# Altium PCB CT310高端控制盒核心板电路V1.3.PcbDoc (part 4 of 10) (continued)
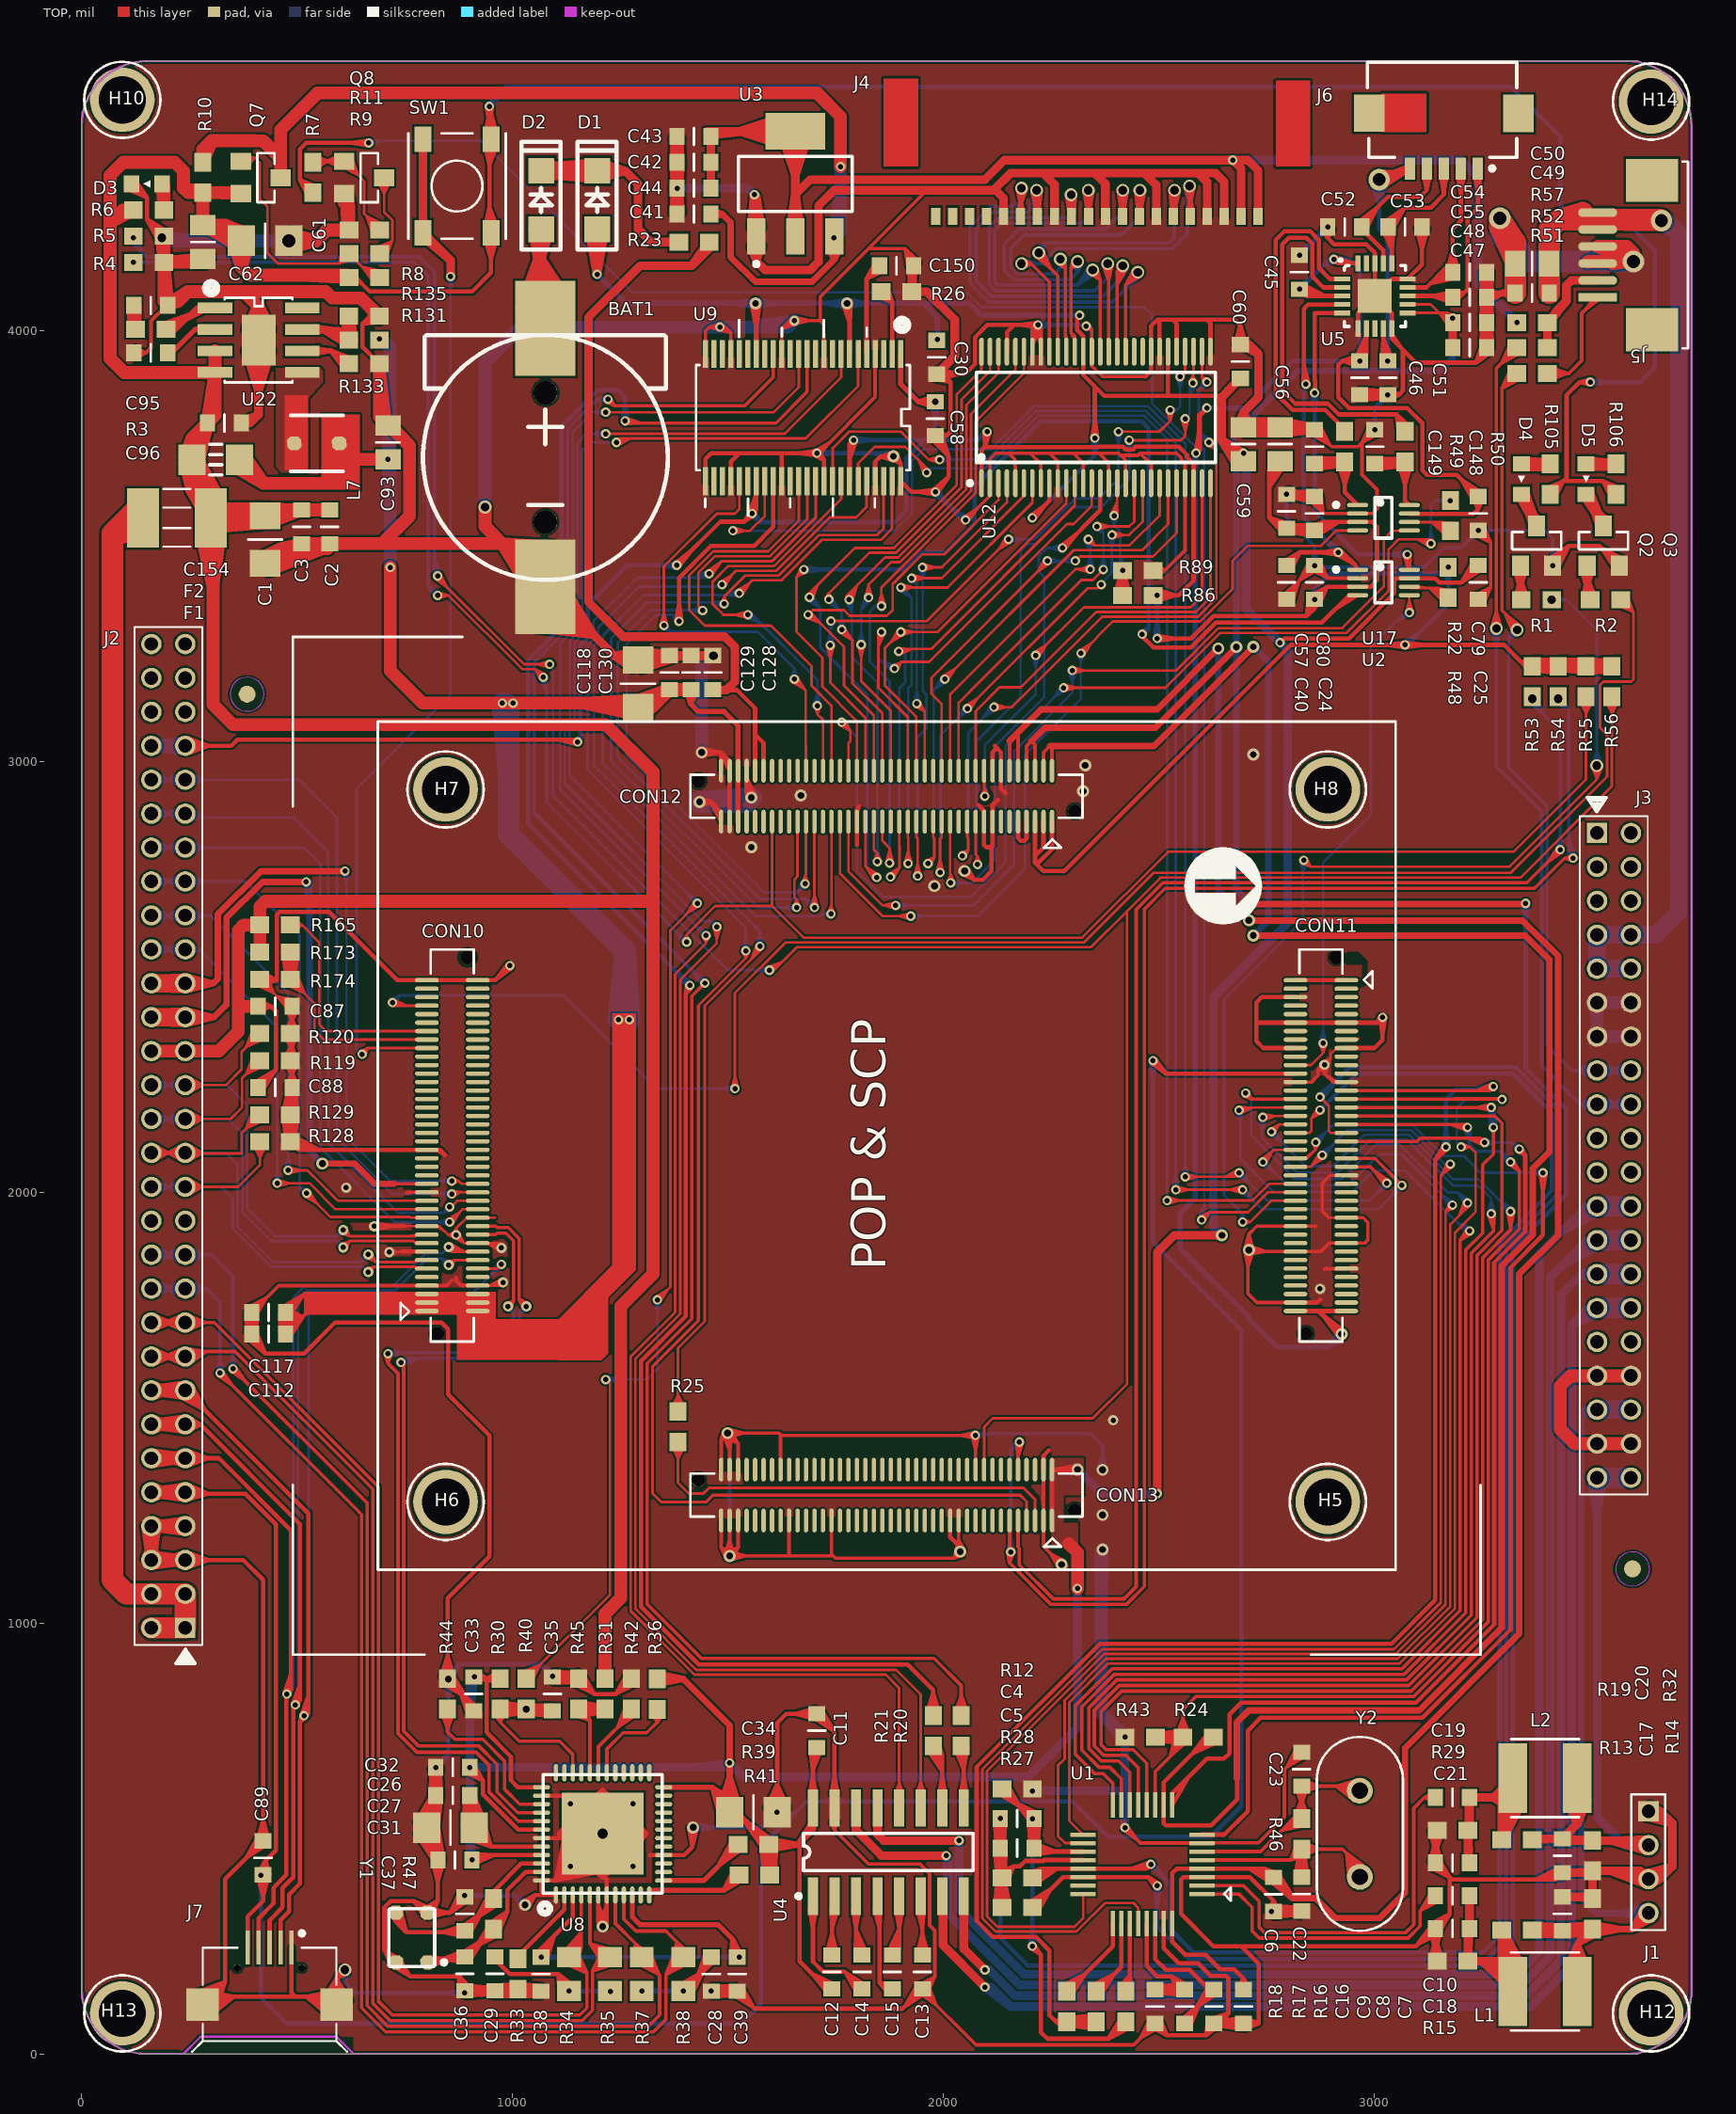
[diagram p0: TOP view]
## Nets (pads, with @x,y where several pads share a name; then routed paths per layer and width w, separated by ;. In a path a pad name is that pad's centre, name@x,y a point inside that pad or via, vN(x,y) a via of type N, cw(c..) or ccw(c..) an arc to the next point about the centre after c; other vN are vias at no path point) (continued)
C28.1@1467.13,157.56 ; C28.1@1466.55,147.21 C28.1@1467.13,133.7 ; C28.1@1466.67,144.59 C28.1@1461.58,132.97 ; C28.1@1466.67,146.67 C28.1@1461.58,158.29 ; CON12.80@1483.73,2977.98 1483.73,3015.45 ; CON12.80@1483.73,3000.48 1483.73,3015.45 ; CON12.77@1503.42,2859.86 CON12.78@1503.42,2977.98 ; CON12.77@1503.42,2882.36 1503.42,2917.36 ; 1503.42,2920.48 CON12.78@1503.42,2955.48 ; U9.28@1506.29,3650 1506.29,3695.53 ; U9.28@1506.29,3676.5 1506.29,3695.53 ; C39.2@1514.61,135.84 1559.69,106.7 ; C39.2@1517.1,133.03 C28.1@1471.07,145.63 ; C39.2@1517.1,158.23 C28.1@1471.07,145.63 ; C39.2@1518.79,145.63 C28.1@1471.07,145.63 ; C39.2@1522.73,145.63 1559.69,106.7 ; C39.2@1532.92,153.23 1559.69,106.7 ; CON12.74@1542.79,2977.98 1542.79,2926.39 ; v3@1544.72,2914.17 CON12.74@1542.79,2955.48 ; v3@1544.7,2914.36 CON12.74@1542.79,2961.9 ; v3@1561.99,2918.86 CON12.74@1542.79,2955.48 ; v3@1562.14,2918.44 CON12.74@1542.79,2961.9 ; C34.2@1587.86,570.22 1613.73,626 ; C34.2@1597.39,566.72 1613.73,626 ; C34.2@1607.25,564.85 1613.73,626 ; C34.2@1607.73,560.66 1611.39,603.97 ; C34.2@1607.78,561.31 1616.07,603.97 ; C34.2@1613.73,564.51 1613.73,626 ; C34.2@1619.73,560.66 1616.07,603.97 ; C34.2@1619.69,561.31 1611.39,603.97 ; C34.2@1620.22,564.85 1613.73,626 ; U9.34@1624.4,3650 1624.4,3711.35 ; U9.34@1624.4,3676.5 1624.4,3711.35 ; C34.2@1630.08,566.72 1613.73,626 ; C34.2@1639.61,570.22 1613.73,626 ; C11.2@1699.61,779.58 1744.69,750.44 ; v1@1702.08,3710.26 1722.82,3697.94 ; C11.2@1702.1,776.77 1656.07,789.37 ; C11.2@1702.1,801.97 1656.07,789.37 ; C11.2@1703.79,789.37 1656.07,789.37 ; v1@1705.32,3709.02 1664.76,3715 v1@1705.32,3720.98 ; C11.2@1707.73,789.37 1744.69,750.44 ; v1@1710.5,3718.68 1722.82,3697.94 ; C11.2@1717.92,796.97 1744.69,750.44 ; U9.39@1722.82,3650 1722.82,3697.94 ; U9.39@1722.82,3676.5 1722.82,3697.94 ; U4.15@1739.93,602.72 1746.72,643.98 ; U4.15@1746.72,570.67 1746.72,748.41 C11.2@1705.76,789.37 1635.13,789.37 1613.73,767.97 v1(1613.73,560.57) ; U4.15@1746.72,602.17 1746.72,643.98 ; U4.15@1753.51,602.72 1746.72,643.98 ; 1798.61,2805.57 1798.69,2805.65 ; CON12.47@1798.69,2837.36 1798.69,2805.65 ; U9.45@1840.93,3650 1840.93,3695.17 ; U9.45@1840.93,3676.5 1840.93,3695.17 ; v3@1878.61,3700.16 1900,3691.26 ; v3@1882.27,3698.74 1853.4,3707.64 ; v3@1882.27,3716.54 1853.4,3707.64 ; v3@1891.09,3712.65 1900,3691.26 ; U9.48@1900,3676.5 1900,3691.26 ; C13.2@1938.6,158.23 1911.83,111.7 ; C13.2@1948.79,150.63 1911.83,111.7 ; C13.2@1950.76,150.63 1905.13,105 1561.39,105 C39.2@1520.76,145.63 v1(1460.76,145.63) ; C13.2@1956.91,140.84 1911.83,111.7 ; C58.2@1972.72,3747.78 2010.34,3710.11 ; v1@1976.53,3629.26 2010.43,3658.67 ; v1@1978.76,3627 2011.76,3660 2011.76,3708.7 1980.76,3739.7 C58.2@1980.76,3755.63 2006.39,3755.63 ; v1@1980.32,3619.02 1939.76,3625 ; v1@1980.32,3630.98 1939.76,3625 ; C30.2@1981.06,3886.38 2015.76,3880 ; C30.2@1983.61,3898.27 C30.2@1997.49,3898.27 ; v1@1985.52,3621.34 2010.43,3658.67 ; C58.2@1986.15,3743.38 2006.39,3755.63 ; C58.2@1986.15,3767.88 2006.39,3755.63 ; C30.2@1987.28,3885.67 2033.3,3898.27 ; C30.2@1987.28,3910.88 2033.3,3898.27 ; C30.2@1994.02,3907.78 2015.76,3880 ; C58.2@1994.31,3760.88 2010.34,3710.11 ; CON13.25@2015.23,1215.31 2015.23,1199.31 ; CON13.25@2015.23,1237.81 2015.23,1199.31 ; 2028.61,1185.57 2028.61,1185.93 2015.23,1199.31 ; v3@2043.54,2738.14 2070.76,2725 ; v3@2055.65,2751.18 2070.76,2725 ; CON12.17@2093.97,2837.36 2093.97,2805.21 ; CON12.17@2093.97,2882.36 2080.91,2898.36 2093.97,2885.29 CON12.17@2093.97,2859.86 2093.97,2805.21 ; CON12.15@2113.65,2837.36 2113.65,2803.46 ; CON12.15@2113.65,2882.36 2113.65,2898.36 ; CON12.16@2113.65,2977.98 2113.65,3020.61 ; CON12.16@2113.65,3000.48 2113.65,3020.61 ; 2118.61,3025.57 2113.65,3020.61 ; 2118.61,3035.57 2133.34,3020.85 ; 2125.86,2910.57 2113.65,2898.36 ; CON12.14@2133.34,2955.48 2133.34,2935.85 ; CON12.14@2133.34,3000.48 2133.34,3020.85 ; 2143.61,2925.57 2133.34,2935.85 ; U12.53@2146.92,3950.52 2146.92,3995.95 ; U12.53@2146.92,3977.68 2146.92,3995.95 ; U12.50@2205.98,3950.52 2205.98,4007.43 ; v1@2212.77,4011.3 U12.49@2225.66,3968.58 ; v1@2212.74,4013.89 U12.50@2205.98,3967.5 ; v1@2212.83,4014.22 U12.50@2205.98,3977.68 ; v1@2212.85,4010.97 U12.49@2225.66,3977.68 ; v1@2215.27,4017.63 2205.76,4007.64 ; v1@2218.17,4006.66 2177.61,4012.64 v1@2218.17,4018.63 ; v1@2219.52,4006.71 2205.76,4007.64 ; v1@2224.07,4010.15 U12.50@2205.98,3977.68 ; v1@2224.28,4010.66 U12.50@2205.98,3967.5 ; v1@2224.57,4013.33 U12.49@2225.66,3977.68 ; v1@2224.59,4013.19 U12.49@2225.66,3968.58 ; U12.49@2225.66,3950.52 v1@2225.66,4005.6 ; CON13.4@2231.76,1355.93 2231.76,1388.72 ; CON13.4@2231.76,1378.43 2231.76,1388.72 ; 2243.61,1400.57 2231.76,1388.72 ; 2468.61,3892.64 2481.57,3905.6 ; U12.36@2481.57,3923.35 2481.57,3905.6 ; U12.36@2481.57,3977.68 2481.57,4010.19 ; C16.1@2485,60.53 2518.48,42.91 ; C16.1@2490.76,70.63 2518.48,42.91 ; C16.1@2492.73,70.63 2518.48,42.91 ; U12.35@2501.25,3950.52 2501.25,4019.51 2496.07,4024.69 ; U12.35@2501.25,3977.68 2501.25,4013 ; C16.1@2503.37,77.6 2518.48,42.91 ; U1.31@2510.78,277.6 2510.78,244.98 ; U1.31@2510.78,302.2 2510.78,244.98 ; U12.33@2540.62,3950.52 2540.62,4015.14 2531.07,4024.69 ; U12.33@2540.62,3977.68 2540.62,4013 ; U1.3@2574.76,410.47 2556.23,410.47 ; C8.1@2613.5,74.95 2608.67,42.91 ; U12.29@2619.36,3950.52 2619.36,4016.4 2611.07,4024.69 ; U12.29@2619.36,3977.68 2619.36,4013 ; C8.1@2623.3,81.79 2660.76,95 ; U1.3@2623.97,410.47 2658.89,410.47 ; C8.1@2625.46,70.63 2608.67,42.91 ; C8.1@2629.39,70.63 2660.76,95 ; C8.1@2634.83,62.04 2608.67,42.91 ; C8.1@2638.7,61.97 2660.76,95 ; C60.2@2676.02,3968.8 2688.61,4012.15 ; C60.2@2688.61,3967.01 2688.61,4012.15 ; C7.1@2695.76,70.63 2731.39,70.63 ; C7.1@2697.73,70.63 2731.39,70.63 ; C7.1@2700.13,58.14 2731.39,70.63 ; C7.1@2700.13,83.12 2731.39,70.63 ; C60.2@2701.2,3968.8 2688.61,4012.15 ; C6.1@2753.48,333.95 2765.76,355 ; C6.1@2756.01,334.3 C6.1@2766.77,343.31 ; C6.1@2756.07,326.89 C6.1@2767.03,317.93 ; C6.1@2756.58,326.33 C6.1@2769.42,318.03 ; C6.1@2756.55,334.91 C6.1@2769.3,343.25 ; C6.1@2756.58,334.93 C6.1@2769.42,343.23 ; C6.1@2756.61,326.3 C6.1@2769.54,318.04 ; 2758.9,2334.28 CON11.18@2793.9,2334.28 ; 2758.9,2393.32 CON11.12@2793.9,2393.32 ; 2758.9,2452.38 CON11.6@2793.9,2452.38 ; C6.1@2760.01,336.58 C22.2@2815.76,340.62 ; C6.1@2760.11,324.67 C22.2@2815.74,321.63 ; C6.1@2760.17,336.6 2801.5,337.66 ; C6.1@2760.27,324.65 2801.55,324.29 ; C6.1@2761.15,336.62 2801.76,330.95 ; C6.1@2761.25,324.65 2801.76,330.95 ; C6.1@2762.05,336.49 C22.2@2815.74,321.63 ; C6.1@2762.11,336.48 2801.55,324.29 ; C6.1@2762.15,324.79 C22.2@2815.76,340.62 ; C6.1@2762.21,324.81 2801.5,337.66 ; C6.1@2766.28,328.27 C6.1@2769.42,343.23 ; C6.1@2766.28,332.99 C6.1@2769.42,318.03 ; C6.1@2766.26,333.04 C6.1@2769.54,318.04 ; C6.1@2766.29,328.31 C6.1@2769.3,343.25 ; C6.1@2766.58,332.09 C6.1@2767.03,317.93 ; C6.1@2766.61,329.28 C6.1@2766.77,343.31 ; C6.1@2771.68,342.72 C22.2@2815.74,321.63 ; C6.1@2771.91,318.62 C22.2@2815.76,340.62 ; C6.1@2778.04,333.95 2765.76,355 ; CON11.78@2816.4,1743.72 2866.77,1743.72 ; CON11.18@2816.4,2334.28 2741.48,2334.28 2725.76,2350 2725.76,2395 ; CON11.6@2816.4,2452.38 2738.14,2452.38 2725.76,2440 2725.76,2395 ; C22.2@2826.93,343.84 C6.1@2781.07,330.63 ; C22.2@2827.26,318.64 C6.1@2781.07,330.63 ; C22.2@2828.79,331.26 C6.1@2781.07,330.63 ; C22.2@2830.76,331.26 2830.13,330.63 C6.1@2765.76,330.63 2765.76,355 ; CON11.78@2838.9,1743.72 2866.77,1743.72 ; CON11.12@2838.9,2393.32 2873.9,2393.32 ; 2873.61,1750.57 2866.77,1743.72 ; 2877.02,2393.32 CON11.11@2912.02,2393.32 ; C52.1@2887.81,4244.81 C52.1@2879.14,4234.61 ; C52.1@2890.27,4234.11 C52.1@2903.64,4234.61 ; C52.1@2891.39,4238.03 2891.39,4214.37 ; C52.1@2892.51,4234.11 C52.1@2879.14,4234.61 ; C52.1@2894.98,4244.81 C52.1@2903.64,4234.61 ; CON11.17@2934.52,2334.28 3000.04,2334.28 3018.61,2352.85 v2(3018.61,2405.57) 3006.37,2393.32 ; CON11.17@2957.02,2334.28 2992.02,2334.28 ; CON11.11@2957.02,2393.32 2992.02,2393.32 ; U5.6@2961.39,4004.21 U5.21@2961.39,4040.63 ; U5.6@2961.39,4017.01 U5.21@2961.39,4040.63 ; C46.1@2965.76,3850.63 v1(3030.76,3850.63) ; C46.1@2966.9,3837.94 C51.1@3015.75,3841.13 ; C46.1@2966.9,3863.32 C51.1@3015.75,3860.13 ; C46.1@2971.8,3838.58 C51.1@3015.75,3860.13 ; C46.1@2971.8,3862.68 C51.1@3015.75,3841.13 ; U5.21@3000.76,4107.09 U5.18@3000.76,4142.99 ; U5.18@3000.76,4168.58 3000.76,4180 ; v2@3012.63,2405.13 3018.61,2364.57 v2@3024.6,2405.13 ; v2@3013.7,2409.01 3006.37,2393.32 ; v2@3022.06,2400.66 3006.37,2393.32 ; C51.1@3024.77,3850.32 C51.1@3027.1,3863.23 ; C51.1@3024.77,3850.94 C51.1@3027.1,3838.03 ; C51.1@3025.95,3847.04 C51.1@3036.15,3838.38 ; C51.1@3025.95,3854.21 C51.1@3036.15,3862.88 ; C51.1@3028.79,3850.63 C46.1@2981.08,3850.63 ; C51.1@3032.73,3850.63 3056.39,3850.63 ; C51.1@3035.99,3847.68 C51.1@3027.1,3838.03 ; C51.1@3035.99,3853.58 C51.1@3027.1,3863.23 ; C51.1@3036.65,3849.51 C51.1@3036.15,3862.88 ; C51.1@3036.65,3851.75 C51.1@3036.15,3838.38 ; U5.10@3040.13,4017.01 U5.21@3040.13,4040.63 ; 3062.07,3958.69 U5.10@3040.13,3991.42 ; U5.15@3063.75,4119.37 U5.21@3040.13,4119.37 ; C53.1@3097.53,4236.34 3110.13,4190.31 ; C53.1@3110.13,4238.03 3110.13,4190.31 ; C53.1@3110.13,4240 3110.13,4152.95 U5.15@3076.55,4119.37 U5.21@3040.13,4119.37 ; C53.1@3122.73,4236.34 3110.13,4190.31 ; R15.1@3128.76,216.58 3141.39,264.95 ; R29.1@3128.76,517.42 3141.39,469.05 ; C18.2@3128.79,287.34 3141.39,241.31 ; C21.2@3128.79,446.66 3141.39,492.69 ; C18.2@3132.11,297.73 3100.97,255.22 ; C18.2@3134.06,303.36 3174.39,324 ; C21.2@3134.06,430.64 3174.39,410 ; C18.2@3141.39,292.97 3174.39,324 ; C21.2@3141.39,441.03 3174.39,410 ; C21.2@3141.39,444.97 3141.39,492.69 ; R15.1@3143.36,215 3141.39,264.95 ; R29.1@3143.36,519 3141.39,469.05 ; R15.1@3145.33,215 3141.39,218.94 C18.2@3141.39,291 ; R29.1@3145.33,519 3141.39,515.06 C21.2@3141.39,443 3174.39,410 ; C18.2@3148.31,278.37 3100.97,255.22 ; C18.2@3151.32,285.02 3174.39,324 ; C21.2@3151.32,448.98 3174.39,410 ; C18.2@3153.99,287.34 3141.39,241.31 ; C21.2@3153.99,446.66 3141.39,492.69 ; R15.1@3157.79,217.73 3141.39,264.95 ; R29.1@3157.79,516.27 3141.39,469.05 ; C47.1@3247.48,3960.71 C48.1@3249.05,4009.09 ; C48.1@3247.48,4019.04 C55.1@3249.05,4067.43 ; C54.1@3247.48,4134.29 C55.1@3249.05,4085.91 ; C48.1@3247.53,4014.67 C47.1@3260.13,3968.65 ; C55.1@3247.53,4073 C48.1@3260.13,4026.98 ; C55.1@3247.53,4080.33 C54.1@3260.13,4126.35 ; C54.1@3247.53,4131.29 C55.1@3260.13,4086.67 ; C54.1@3247.53,4131.34 C55.1@3260.13,4085.31 ; C47.1@3248.24,3966.48 C48.1@3271.21,4009.09 ; C48.1@3248.24,4024.81 C55.1@3271.21,4067.43 ; C54.1@3248.24,4128.52 C55.1@3271.21,4085.91 ; C47.1@3248.85,3963.9 3235.76,3925 ; C47.1@3260.13,3958.03 3235.76,3925 ; C48.1@3260.13,4016.36 C47.1@3260.13,3968.65 ; C55.1@3260.13,4074.7 C48.1@3260.13,4026.98 ; C55.1@3260.13,4078.64 C54.1@3260.13,4126.35 ; C54.1@3260.13,4145 C55.1@3260.13,4086.67 ; C47.1@3269.07,3948.99 3235.76,3925 ; C47.1@3272.02,3966.48 C48.1@3249.05,4009.09 ; C48.1@3272.02,4024.81 C55.1@3249.05,4067.43 ; C54.1@3272.02,4128.52 C55.1@3249.05,4085.91 ; C48.1@3272.73,4014.67 C47.1@3260.13,3968.65 ; C55.1@3272.73,4073 C48.1@3260.13,4026.98 ; C55.1@3272.73,4080.33 C54.1@3260.13,4126.35 ; C54.1@3272.73,4131.29 C55.1@3260.13,4086.67 ; C54.1@3272.73,4131.34 C55.1@3260.13,4085.31 ; C47.1@3272.78,3960.71 C48.1@3271.21,4009.09 ; C48.1@3272.78,4019.04 C55.1@3271.21,4067.43 ; C54.1@3272.78,4134.29 C55.1@3271.21,4085.91 ; Q2.2@3403.63,3468.77 3450.76,3500 ; Q2.2@3408.73,3457.69 3440.98,3490.22 ; Q2.2@3408.8,3457.77 3440.7,3488.65 ; Q2.2@3409.08,3458.06 3445.22,3488.94 ; Q2.2@3412.63,3447.78 Q2.2@3425.42,3449.46 ; Q2.2@3413.26,3457.69 3450.76,3500 ; Q2.2@3416.52,3458.79 Q2.2@3425.42,3449.46 ; Q2.2@3417.95,3450 3445.22,3488.94 ; Q2.2@3418.22,3450.37 3440.7,3488.65 ; Q2.2@3418.26,3450.44 3440.98,3490.22 ; C20.2@3429.25,432.51 3375.14,405 ; C20.2@3433.79,420.63 3375.14,405 ; C20.2@3435.76,408.07 3375.14,405 ; C20.2@3435.76,420.63 3420.13,405 3179.39,405 3174.39,410 ; Q3.2@3557.05,3448.2 3527.36,3494.65 ; Q3.2@3568.26,3453.75 3522.01,3500 3450.76,3500 ; Q3.2@3568.26,3457.69 3527.36,3494.65 ; Q3.2@3576.57,3469.8 3527.36,3494.65 ; J2.8@144.09,1217.95 161.39,1199.74 ; J2.8@144.09,1217.95 161.39,1199.74 ; J2.8@144.09,1217.95 161.39,1199.74 ; J2.8@144.09,1217.95 161.39,1199.74 ; 150.53,1169.9 J2.8@161.39,1224.86 ; 151.41,4257.78 151.41,4308.97 ; 151.41,4257.78 R5.1@197.83,4230.03 ; 152.1,4257.37 v4(185.76,4215) ; J2.8@152.9,1223.38 161.39,1199.74 ; J2.8@152.9,1223.38 161.39,1199.74 ; J2.8@152.9,1223.38 161.39,1199.74 ; J2.8@152.9,1223.38 161.39,1199.74 ; 153.21,4254.38 v4(185.76,4215) ; 154.97,4254.23 177.31,4209.64 155.04,4253.96 ; 154.97,4254.23 192.97,4221.93 155.04,4253.96 ; 154.97,4254.23 v4(185.76,4215) ; 155.04,4253.96 v4(185.76,4215) ; 156.7,1170.84 J2.8@161.39,1224.86 ; J2.6@161.39,1146.12 J2.5@240.13,1146.12 374.64,1146.12 420.76,1100 C89.1@420.76,494.37 332.39,406 332.39,166.6 ; J2.6@161.39,1146.12 J2.8@161.39,1224.86 ; J2.6@161.39,1146.12 216.35,1135.26 ; J2.6@161.39,1146.12 186.51,1146.12 ; J2.6@161.39,1146.12 215.4,1141.43 ; J2.6@161.39,1146.12 186.51,1146.12 ; J2.6@161.39,1146.12 215.4,1150.81 ; J2.6@161.39,1146.12 186.51,1146.12 ; J2.6@161.39,1146.12 216.35,1156.98 ; J2.6@161.39,1146.12 186.51,1146.12 ; 161.39,1199.74 J2.8@178.69,1217.95 ; 161.39,1199.74 J2.8@169.88,1223.38 ; 161.39,1199.74 J2.8@161.39,1224.86 ; 161.39,1199.74 J2.8@178.69,1217.95 ; 161.39,1199.74 J2.8@169.88,1223.38 ; 161.39,1199.74 J2.8@161.39,1224.86 ; 161.39,1199.74 J2.8@178.69,1217.95 ; 161.39,1199.74 J2.8@169.88,1223.38 ; 161.39,1199.74 J2.8@161.39,1224.86 ; 161.39,1199.74 J2.8@178.69,1217.95 ; 161.39,1199.74 J2.8@169.88,1223.38 ; 161.39,1199.74 J2.8@161.39,1224.86 ; J2.8@161.39,1224.86 J2.7@240.13,1224.86 ; J2.8@161.39,1224.86 172.25,1169.9 ; J2.8@161.39,1224.86 166.08,1170.84 ; J2.6@162.87,1137.62 186.51,1146.12 ; J2.6@162.87,1137.62 186.51,1146.12 ; J2.6@162.87,1137.62 186.51,1146.12 ; J2.6@162.87,1137.62 186.51,1146.12 ; J2.6@162.87,1154.61 186.51,1146.12 ; J2.6@162.87,1154.61 186.51,1146.12 ; J2.6@162.87,1154.61 186.51,1146.12 ; J2.6@162.87,1154.61 186.51,1146.12 ; J2.6@168.29,1128.82 186.51,1146.12 ; J2.6@168.29,1128.82 186.51,1146.12 ; J2.6@168.29,1128.82 186.51,1146.12 ; J2.6@168.29,1128.82 186.51,1146.12 ; J2.6@168.29,1163.41 186.51,1146.12 ; J2.6@168.29,1163.41 186.51,1146.12 ; J2.6@168.29,1163.41 186.51,1146.12 ; J2.6@168.29,1163.41 186.51,1146.12 ; 185.17,1214 J2.7@240.13,1224.86 ; 185.17,1235.72 J2.7@240.13,1224.86 ; v4(185.76,4215) R5.1@197.83,4230.03 ; 186.12,1220.17 J2.7@240.13,1224.86 ; 186.12,1229.55 J2.7@240.13,1224.86 ; 215.01,1224.86 J2.7@233.23,1207.56 ; 215.01,1224.86 J2.7@233.23,1242.15 ; 215.01,1224.86 J2.7@238.65,1216.36 ; 215.01,1224.86 J2.7@238.65,1233.35 ; 215.01,1224.86 J2.7@240.13,1224.86 ; 215.01,1224.86 J2.7@233.23,1207.56 ; 215.01,1224.86 J2.7@233.23,1242.15 ; 215.01,1224.86 J2.7@238.65,1216.36 ; 215.01,1224.86 J2.7@238.65,1233.35 ; 215.01,1224.86 J2.7@240.13,1224.86 ; 215.01,1224.86 J2.7@233.23,1207.56 ; 215.01,1224.86 J2.7@233.23,1242.15 ; 215.01,1224.86 J2.7@238.65,1216.36 ; 215.01,1224.86 J2.7@238.65,1233.35 ; 215.01,1224.86 J2.7@240.13,1224.86 ; 215.01,1224.86 J2.7@233.23,1207.56 ; 215.01,1224.86 J2.7@233.23,1242.15 ; 215.01,1224.86 J2.7@238.65,1216.36 ; 215.01,1224.86 J2.7@238.65,1233.35 ; 215.01,1224.86 J2.7@240.13,1224.86 ; J7.7@280.25,114.45 J7.7@298.63,132.83 ; J7.7@280.25,114.45 332.39,166.6 ; J7.7@280.25,114.45 352.97,132.83 ; J7.7@298.63,132.83 495.76,132.83 ; J7.7@298.63,132.83 332.39,166.6 ; 452.39,2491.63 452.39,2643.83 458.57,2650 574.18,2650 732.43,2491.75 CON10.79@800.66,2491.75 CON10.80@918.77,2491.75 959.79,2491.75 ; R128.1@472.95,2129.94 482.08,2179.5 C88.2@477.26,2229.15 ; R129.1@486.02,2179.5 R128.1@495.15,2129.94 ; R129.1@486.02,2179.5 C88.2@497.2,2228.87 ; R129.1@486.02,2179.5 C88.2@487.06,2229.18 ; 495.76,132.83 572.89,132.83 J7.6@591.27,114.45 ; 520.82,132.83 J7.6@591.27,114.45 ; J7.6@591.27,114.45 591.27,175.51 ; 651.41,4015.65 668.61,4032.85 ; 651.41,4015.65 R135.2@688.65,4032.85 ; 668.61,4032.85 683.27,4019.19 668.61,4032.85 ; 668.61,4032.85 683.27,4046.52 668.61,4032.85 ; 668.61,4032.85 R135.2@688.65,4032.85 ; 668.61,4032.85 R135.2@688.65,4032.85 ; 702.16,239.38 Y1.4@729.22,212.32 ; 702.16,239.38 702.16,340.14 716.77,354.74 770.5,354.74 ; 702.16,239.38 Y1.4@729.22,212.32 ; Y1.4@729.22,212.32 761.54,180 ; 761.54,180 875.76,180 ; 770.5,354.74 797.57,327.68 Y1.2@802.3,327.68 ; 770.5,354.74 Y1.2@802.3,327.68 ; C27.2@800.64,521.06 C31.2@826.39,452.57 ; C27.2@800.64,521.06 C31.2@813.79,453.68 ; C27.2@800.64,521.06 C31.2@837.52,458.99 ; C27.2@800.64,521.06 C31.2@826.39,452.84 ; C27.2@800.64,528.94 C26.2@833.43,593.49 ; C27.2@800.64,528.94 C26.2@809.02,595.06 ; C27.2@800.64,528.94 C26.2@821.39,598.03 ; C27.2@800.64,528.94 C26.2@826.39,595.2 ; Y1.2@802.3,327.68 854.85,327.68 ; Y1.2@802.3,327.68 802.3,332.41 826.39,356.5 ; Y1.2@802.3,327.68 826.39,356.5 ; C26.2@809.02,595.06 C27.2@826.39,549.97 ; C32.2@809.02,660.08 C26.2@826.39,614.7 ; C32.2@809.02,660.08 v1(821.39,665) ; 810.17,624.19 v1(821.39,665) ; C32.2@811.97,652.37 C26.2@821.39,601.97 ; C32.2@811.97,652.37 C32.2@825.43,660.56 ; C32.2@811.97,652.37 C32.2@815.98,667.61 ; C32.2@811.97,652.37 v1(821.39,665) ; C32.2@811.97,652.37 C32.2@825.43,660.56 ; C32.2@811.97,652.37 C32.2@815.98,667.61 ; C32.2@811.97,652.37 v1(821.39,665) ; C32.2@811.97,652.37 C32.2@825.43,660.56 ; C32.2@811.97,652.37 C32.2@815.98,667.61 ; C32.2@811.97,652.37 v1(821.39,665) ; C26.2@813.03,615.33 v1(821.39,665) ; C31.2@813.79,453.68 C27.2@826.39,499.25 ; 814.14,622.32 v1(821.39,665) ; C32.2@815.4,664.71 C26.2@821.39,601.97 ; C32.2@815.4,664.71 C26.2@821.39,601.97 ; C32.2@815.4,664.71 C26.2@821.39,601.97 ; C32.2@815.68,663.16 C32.2@822.58,651.56 ; C32.2@815.68,663.16 C32.2@822.58,651.56 ; C32.2@815.68,663.16 C32.2@822.58,651.56 ; C32.2@816.16,662.06 C32.2@826.39,649.97 ; C32.2@816.16,662.06 C32.2@826.39,649.97 ; C32.2@816.16,662.06 C32.2@826.39,649.97 ; C26.2@821.39,598.03 C27.2@826.39,549.97 ; C26.2@821.39,601.97 C32.2@831.96,649.34 ; C26.2@821.39,601.97 C32.2@822.58,651.56 ; C26.2@821.39,601.97 C32.2@826.39,649.97 ; C26.2@821.39,601.97 C32.2@827.38,664.71 ; C26.2@821.39,601.97 v1(821.39,665) ; C26.2@821.39,601.97 C32.2@827.38,664.71 ; C26.2@821.39,601.97 v1(821.39,665) ; C26.2@821.39,601.97 C32.2@827.38,664.71 ; C26.2@821.39,601.97 v1(821.39,665) ; v1(821.39,665) C32.2@834.1,662.67 ; v1(821.39,665) C26.2@826.39,614.7 ; v1(821.39,665) C26.2@826.39,614.7 ; v1(821.39,665) 825.41,624.14 ; v1(821.39,665) C26.2@831.11,611.02 ; v1(821.39,665) 826.39,622.44 ; v1(821.39,665) C32.2@822.58,651.56 ; v1(821.39,665) 829.06,624.27 ; v1(821.39,665) C32.2@822.58,651.56 ; v1(821.39,665) C32.2@822.58,651.56 ; v1(821.39,665) C32.2@826.39,649.97 ; v1(821.39,665) 830.5,624.61 ; v1(821.39,665) C32.2@826.39,649.97 ; v1(821.39,665) C32.2@826.39,649.97 ; C32.2@822.58,651.56 C32.2@827.33,664.19 ; C32.2@822.58,651.56 C32.2@827.33,664.19 ; C32.2@822.58,651.56 C32.2@827.33,664.19 ; CON10.39@823.16,2098.06 831.13,2098.06 ; CON10.39@823.16,2098.06 843.61,2085.57 831.13,2098.06 ; CON10.39@823.16,2098.06 831.13,2098.06 ; 826.39,356.5 C31.2@826.39,450 C27.2@826.39,499.25 ; C31.2@826.39,452.57 826.72,525.74 C31.2@826.39,452.84 ; C31.2@826.39,452.57 816.64,525.09 C31.2@826.39,452.84 ; C31.2@826.39,452.57 785.95,513.56 C31.2@826.39,452.84 ; C31.2@826.39,452.57 806.82,523.08 C31.2@826.39,452.84 ; C31.2@826.39,452.57 794.67,518.51 C31.2@826.39,452.84 ; C26.2@826.39,614.7 C32.2@834.1,662.67 ; C26.2@826.39,614.7 827.39,665.24 C26.2@826.39,614.7 ; C26.2@826.39,614.7 815.47,664.05 C26.2@826.39,614.7 ; C32.2@826.39,649.97 C32.2@827.34,665.78 ; C32.2@826.39,649.97 C32.2@827.34,665.78 ; C32.2@826.39,649.97 C32.2@827.34,665.78 ; R44.1@834.09,875.14 848.61,922.66 ; R44.1@834.09,875.14 v3(850.76,870) ; 848.61,914.11 841.77,870.48 848.61,914.15 ; 848.61,914.11 859.66,871.35 848.61,914.15 ; 848.61,914.11 v3(850.76,870) ; 848.61,914.15 v3(850.76,870) ; 848.61,922.66 v3(850.76,870) ; 849.78,918.84 v3(850.76,870) ; v3(850.76,870) 885.27,834.35 ; v3(850.76,870) 887.54,833.33 ; v3(850.76,870) 887.23,831.35 ; v3(850.76,870) 885.15,834.26 ; 854.85,327.68 C37.2@895.08,354.86 ; 854.85,327.68 C37.2@876.03,371.37 ; 856.8,331.69 v1(888.61,367.15) ; 857.93,329.76 v1(888.61,367.15) ; 859.77,332.59 v1(888.61,367.15) ; 859.74,333.32 v1(888.61,367.15) ; C36.2@874.04,144.53 875.76,180 ; C36.2@874.04,144.53 v1(888.61,141.2) ; 875.76,180 888.61,167.15 ; 875.76,180 C36.2@897.86,152.2 ; 875.76,180 C36.2@882.8,139.74 ; 875.76,180 C36.2@894.16,143.5 ; 875.76,180 v1(888.61,141.2) ; 875.76,180 C36.2@882.8,139.74 ; 875.76,180 C36.2@894.16,143.5 ; 875.76,180 v1(888.61,141.2) ; 875.76,180 C36.2@882.8,139.74 ; 875.76,180 C36.2@894.16,143.5 ; 875.76,180 v1(888.61,141.2) ; C37.2@876.03,371.37 v1(888.61,367.15) ; C36.2@876.5,150.06 888.61,167.15 ; C36.2@876.5,150.06 888.61,167.15 ; C36.2@876.5,150.06 884.18,137.16 C36.2@876.5,150.06 ; C36.2@876.5,150.06 891.12,146.65 C36.2@876.5,150.06 ; C36.2@876.5,150.06 v1(888.61,141.2) ; C36.2@876.5,150.06 v1(888.61,141.2) ; C36.2@882.65,141.89 888.61,167.15 ; C36.2@882.65,141.89 888.61,167.15 ; C36.2@882.65,141.89 888.61,167.15 ; C36.2@882.65,141.89 888.61,167.15 ; C36.2@882.65,141.89 888.61,167.15 ; C36.2@882.65,141.89 888.61,167.15 ; 885.15,834.26 857.78,875.63 885.27,834.35 ; C36.2@888.03,147.17 908.93,146.2 ; C36.2@888.03,147.17 908.93,146.2 ; C36.2@888.03,147.17 908.93,146.2 ; C36.2@888.03,147.17 908.93,146.2 ; C36.2@888.03,147.17 908.93,146.2 ; C36.2@888.03,147.17 908.93,146.2 ; C36.2@888.33,147.19 930.42,146.2 ; C36.2@888.33,147.19 930.42,146.2 ; C36.2@888.33,147.19 930.39,146.2 ; v1(888.61,141.2) C36.2@888.61,146.2 ; v1(888.61,141.2) 888.61,167.15 ; v1(888.61,141.2) 888.61,167.15 ; v1(888.61,141.2) C36.2@900.73,150.06 ; v1(888.61,141.2) 888.61,167.15 ; v1(888.61,141.2) 888.61,167.15 ; v1(888.61,141.2) C36.2@900.73,150.06 ; v1(888.61,141.2) 888.61,167.15 ; v1(888.61,141.2) 888.61,167.15 ; v1(888.61,141.2) C36.2@897.86,152.2 ; v1(888.61,141.2) 932.2,144.53 ; v1(888.61,141.2) 930.42,146.2 ; v1(888.61,141.2) 931.74,137.35 ; v1(888.61,141.2) 930.69,139.39 ; v1(888.61,141.2) 908.93,146.2 ; v1(888.61,141.2) 908.93,146.2 ; v1(888.61,141.2) 931.93,151.23 ; v1(888.61,141.2) 929.3,152.77 ; v1(888.61,141.2) 908.93,146.2 ; v1(888.61,141.2) 908.93,146.2 ; v1(888.61,141.2) 932.2,144.53 ; v1(888.61,141.2) 930.42,146.2 ; v1(888.61,141.2) 908.93,146.2 ; v1(888.61,141.2) 908.93,146.2 ; v1(888.61,141.2) 930.39,146.2 ; C36.2@888.61,146.2 C29.1@958.61,146.2 R33.2@1008.25,146.2 ; C36.2@888.61,146.2 888.61,167.15 ; C36.2@888.61,146.2 888.61,167.15 ; 888.61,167.15 C36.2@900.73,150.06 ; 888.61,167.15 C36.2@900.73,150.06 ; 888.61,167.15 C36.2@894.57,141.89 ; 888.61,167.15 C36.2@894.57,141.89 ; 888.61,167.15 C36.2@894.57,141.89 ; 888.61,167.15 C36.2@894.57,141.89 ; 888.61,167.15 C36.2@894.57,141.89 ; 888.61,167.15 C36.2@894.57,141.89 ; v1(888.61,367.15) C37.2@895.08,354.86 ; C36.2@889.75,135.31 930.42,146.2 ; C36.2@889.75,135.31 930.42,146.2 ; C36.2@889.75,135.31 930.39,146.2 ; C36.2@890.58,146.2 938.3,146.2 ; C36.2@890.58,146.2 938.84,138.01 ; C36.2@890.58,146.2 908.93,146.2 ; C36.2@890.58,146.2 938.84,154.39 ; C36.2@890.58,146.2 908.93,146.2 ; C36.2@890.58,146.2 938.3,146.2 ; C36.2@890.58,146.2 908.93,146.2 ; C36.2@890.87,135.64 908.93,146.2 ; C36.2@890.87,135.64 908.93,146.2 ; C36.2@890.87,135.64 908.93,146.2 ; C36.2@890.87,135.64 908.93,146.2 ; C36.2@890.87,135.64 908.93,146.2 ; C36.2@890.87,135.64 908.93,146.2 ; C36.2@894.99,134.27 908.93,146.2 ; C36.2@894.99,134.27 908.93,146.2 ; C36.2@894.99,134.27 908.93,146.2 ; C36.2@894.99,158.13 908.93,146.2 ; C36.2@894.99,158.13 908.93,146.2 ; C36.2@894.99,158.13 908.93,146.2 ; C36.2@900.73,150.06 886.11,146.65 C36.2@900.73,150.06 ; C36.2@900.73,150.06 893.05,137.16 C36.2@900.73,150.06 ; 932.2,144.53 888.57,147.2 932.2,144.53 ; 932.2,144.53 889.48,135.26 932.2,144.53 ; 938.3,146.2 892.28,158.8 938.3,146.2 ; 938.3,146.2 892.28,133.6 938.3,146.2 ; C29.1@960.58,146.2 R33.2@1008.25,146.2 ; C29.1@960.58,146.2 R33.2@1007.48,134.39 ; C29.1@960.58,146.2 R33.2@1006.89,161.71 ; C29.1@960.58,146.2 R33.2@1008.28,148.02 ; C29.1@962.31,146.2 1012.19,148.17 C38.2@1062.03,146.2 ; R33.2@1016.07,146.2 C38.2@1063.79,145.63 ; R33.2@1016.11,148.01 C38.2@1063.79,145.63 ; R33.2@1016.79,134.36 C38.2@1063.79,145.63 ; R33.2@1017.6,161.67 C38.2@1063.79,145.63 ; 1051.88,368.84 1076.88,368.84 ; 1076.88,368.84 1066.88,378.84 U8.48@1066.88,402.3 1100.35,402.3 ; C35.1@1092.19,870.43 R45.2@1141.86,873.41 ; C35.1@1092.19,870.43 R45.2@1141.86,873.41 ; C35.1@1092.23,870.43 1133.2,873.69 ; v1(1092.19,876.43) C35.1@1092.19,874.94 1149.14,874.94 R45.2@1153.08,871 1189.08,835 ; v1(1092.19,876.43) 1133.25,874.94 ; v1(1092.19,876.43) 1132.28,864.82 ; v1(1092.19,876.43) R45.2@1134.4,883.1 ; v1(1092.19,876.43) 1133.14,873.76 ; v1(1092.19,876.43) R45.2@1141.87,874.94 ; v1(1092.19,876.43) C35.1@1095.85,887.54 ; v1(1092.19,876.43) R45.2@1141.87,874.94 ; v1(1092.19,876.43) C35.1@1095.85,862.34 ; v1(1092.19,876.43) 1133.26,874.94 ; v1(1092.19,876.43) R45.2@1139.16,862.95 ; v1(1092.19,876.43) 1133.15,861.81 ; v1(1092.19,876.43) C35.1@1092.33,862.36 ; v1(1092.19,876.43) 1131.9,864.33 ; v1(1092.19,876.43) R45.2@1141.54,884.97 ; v1(1092.19,876.43) C35.1@1093.18,887.62 ; v1(1092.19,876.43) R45.2@1141.54,884.97 ; v1(1092.19,876.43) C35.1@1098.4,862.95 ; v1(1092.19,876.43) 1132.94,883.15 ; v1(1092.19,876.43) R45.2@1141.86,873.41 ; v1(1092.19,876.43) C35.1@1096.25,887.48 ; v1(1092.19,876.43) R45.2@1141.86,873.41 ; v1(1092.19,876.43) C35.1@1095.45,862.29 ; v1(1092.19,876.43) 1133.2,873.69 ; C35.1@1092.33,862.36 R45.2@1141.26,861.7 ; C35.1@1093.18,887.62 R45.2@1141.54,884.97 ; C35.1@1093.54,870.58 R45.2@1134.4,883.1 ; C35.1@1093.56,870.59 R45.2@1141.54,884.97 ; C35.1@1093.56,870.59 R45.2@1141.54,884.97 ; C35.1@1094.16,874.94 R45.2@1141.87,874.94 ; C35.1@1094.16,874.94 R45.2@1141.26,861.7 ; C35.1@1094.16,874.94 R45.2@1141.54,884.97 ; C35.1@1094.16,874.94 R45.2@1141.86,873.41 ; C35.1@1095.45,862.29 R45.2@1141.86,873.41 ; C35.1@1095.85,862.34 R45.2@1141.87,874.94 ; C35.1@1095.85,887.54 R45.2@1141.87,874.94 ; C35.1@1096.25,887.48 R45.2@1141.86,873.41 ; C35.1@1098.4,862.95 R45.2@1141.54,884.97 ; 1100.35,402.3 v2(1133.61,435.57) ; 1100.35,402.3 v7(1208.61,510.57) ; 1100.35,402.3 U8.49@1137.58,431.07 ; 1100.35,402.3 U8.49@1129.11,439.53 ; 1100.35,402.3 v2(1133.61,435.57) ; 1100.35,402.3 U8.49@1137.58,431.07 ; 1100.35,402.3 U8.49@1129.11,439.53 ; 1100.35,402.3 v2(1133.61,435.57) ; 1100.35,402.3 U8.49@1137.58,431.07 ; 1100.35,402.3 U8.49@1129.11,439.53 ; 1100.35,402.3 v2(1133.61,435.57) ; 1100.35,402.3 U8.49@1137.58,431.07 ; 1100.35,402.3 U8.49@1129.11,439.53 ; 1100.35,402.3 v2(1133.61,435.57) ; 1100.35,402.3 U8.49@1137.58,431.07 ; 1100.35,402.3 U8.49@1129.11,439.53 ; 1100.35,402.3 v2(1133.61,435.57) ; 1100.35,402.3 U8.49@1137.58,431.07 ; 1100.35,402.3 U8.49@1129.11,439.53 ; 1100.35,402.3 v2(1133.61,435.57) ; 1100.79,402.89 U8.49@1137.56,431.05 ; 1100.79,402.89 U8.49@1129.11,439.54 ; 1100.79,402.89 v2(1133.61,435.57) ; 1100.93,402.75 U8.49@1137.58,431.07 ; 1100.93,402.75 U8.49@1129.1,439.52 ; 1100.93,402.75 v2(1133.61,435.57) ; 1101.2,403.27 U8.49@1137.56,431.05 ; 1101.2,403.27 U8.49@1129.11,439.53 ; 1101.2,403.27 v2(1133.61,435.57) ; 1101.32,403.16 U8.49@1137.58,431.07 ; 1101.32,403.16 U8.49@1129.1,439.52 ; 1101.32,403.16 v2(1133.61,435.57) ; 1101.4,403.36 U8.49@1137.57,431.06 ; 1101.4,403.36 U8.49@1129.1,439.53 ; 1101.4,403.36 v2(1133.61,435.57) ; 1101.4,403.36 U8.49@1137.57,431.06 ; 1101.4,403.36 U8.49@1129.1,439.53 ; 1101.4,403.36 v2(1133.61,435.57) ; U8.49@1120.03,599.15 v7(1208.61,510.57) ; U8.49@1120.03,599.15 v2(1133.61,580.57) U8.49@1168.17,551.01 ; U8.49@1129.1,439.52 U8.49@1160.67,471.07 ; 1132.94,883.15 1091.64,882.4 R45.2@1134.4,883.1 ; 1133.14,873.76 1093.01,882.37 1133.2,873.69 ; 1133.25,874.94 1092.84,882.39 1133.26,874.94 ; 1133.25,874.94 1092.41,870.43 1133.26,874.94 ; v2(1133.61,435.57) U8.49@1189.86,446.36 ; v2(1133.61,435.57) U8.49@1144.4,491.81 ; v2(1133.61,435.57) U8.49@1182.08,449.47 ; v2(1133.61,435.57) U8.49@1147.51,484.04